# KiCad board HPM6E00FULLPORTRevB.kicad_pcb (continued)
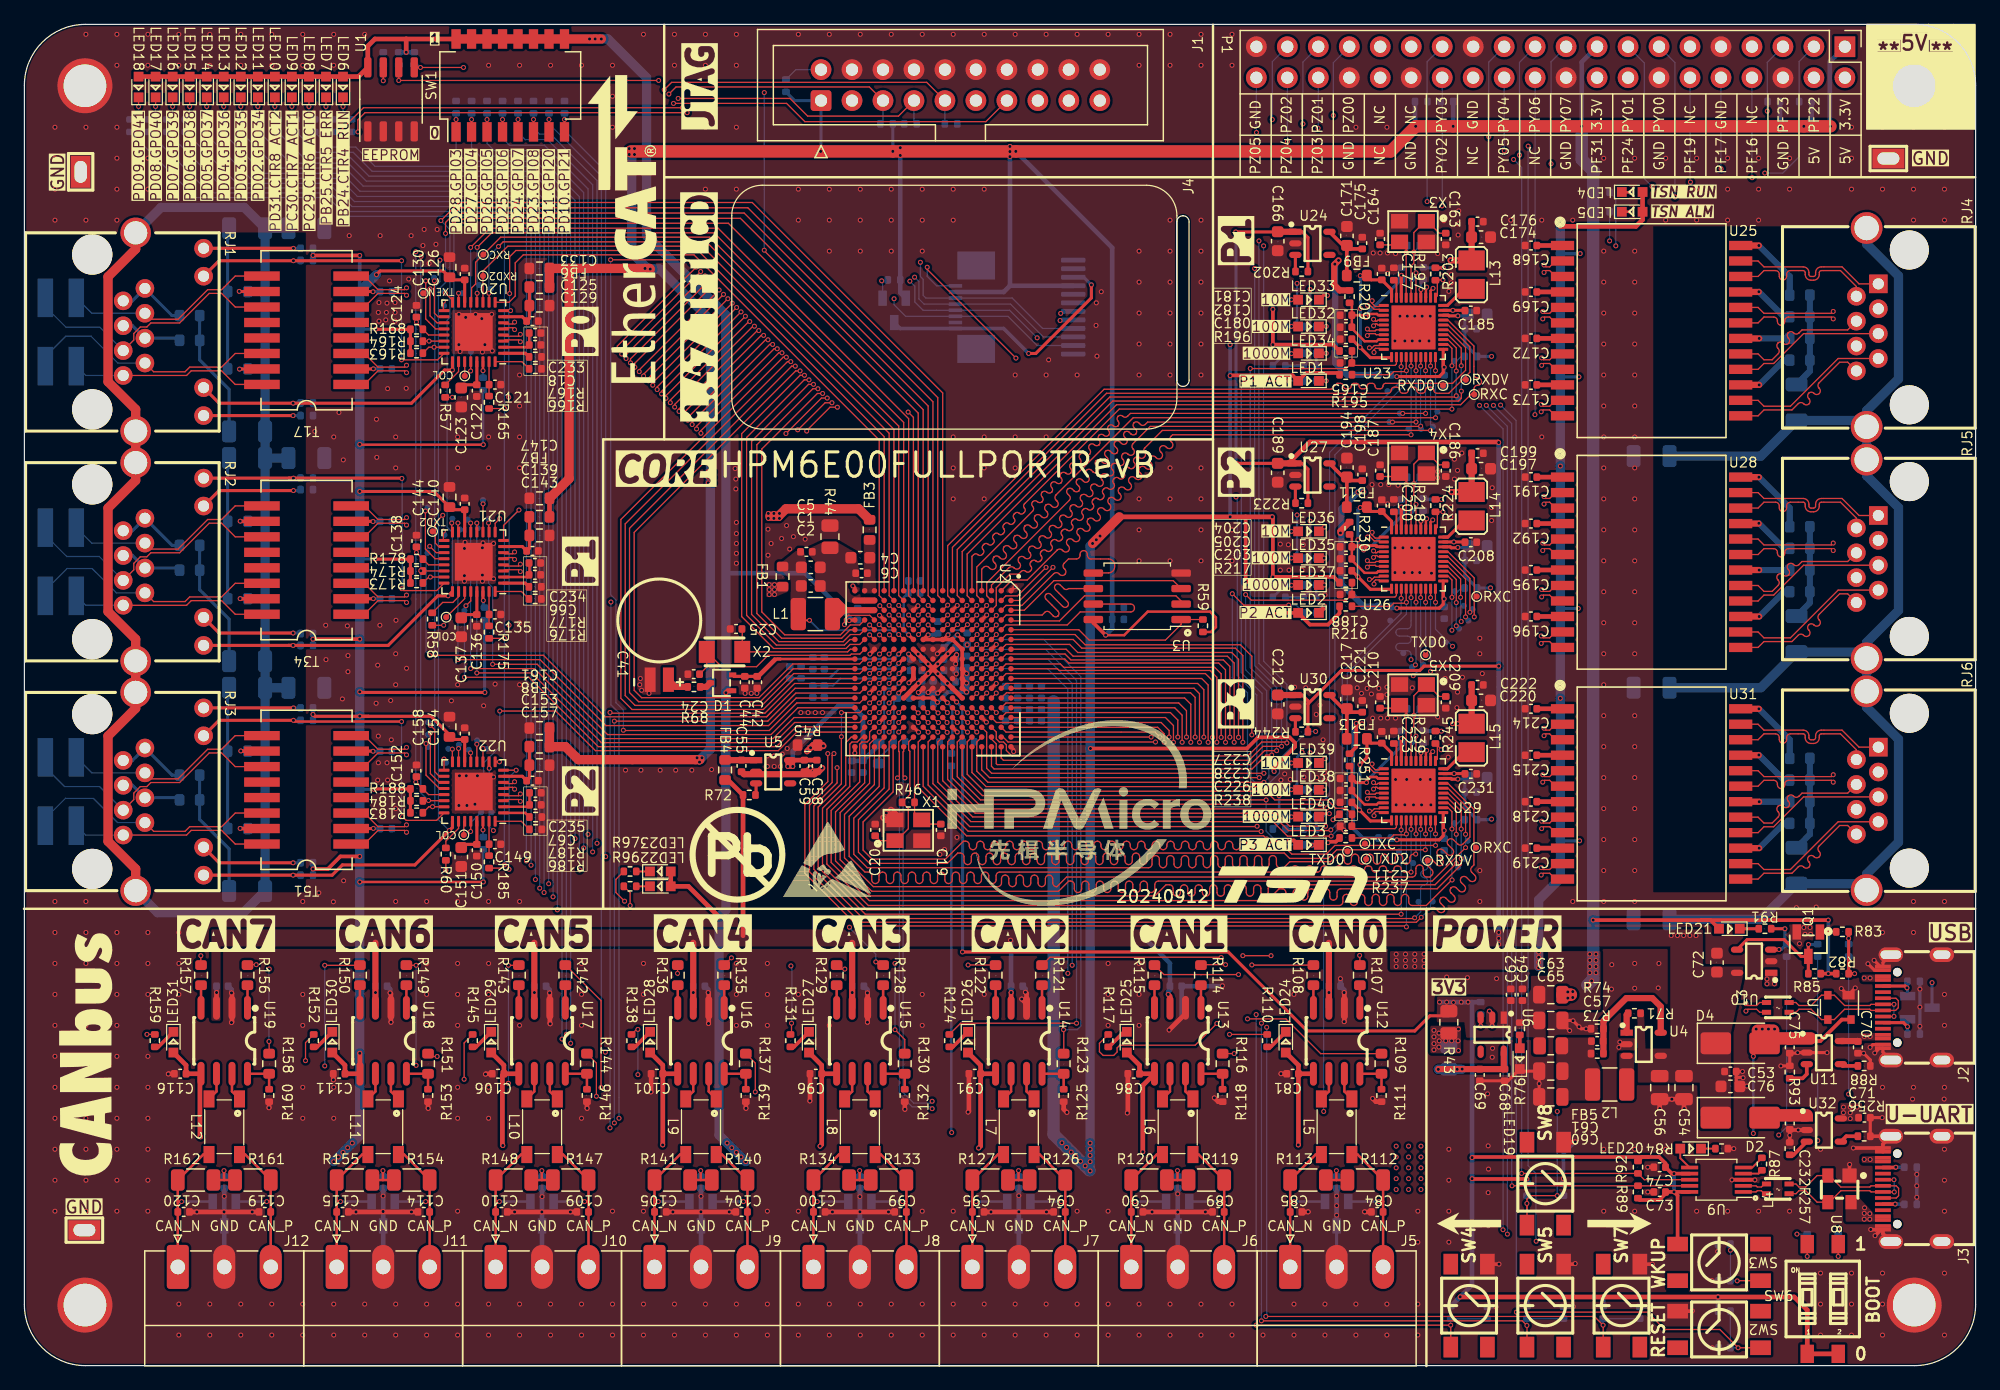
[diagram p0: board, top side]
## Routing (per net, layer and track width the routed paths; a pad name or vN(x,y) marks a point on that pad's centre or on a via; arc(x,y) is an arc through that point) (continued)
/HPM6E00 FULL PORT MAINENTRY/PB22: length 51.5
  Top w0.102: U26.15 v1(113.71,62.99) ; U2.C4 79.31,61.15 v1(79.7,61.53)
  POWER3 w0.102: v1(113.71,57.9) 113.71,57.9 97.27,57.9 97.16,58.02 arc(96.95,58.1) 96.73,58.02 96.48,57.76 arc(96.27,57.67) 96.05,57.76 arc(95.97,57.97) 96.05,58.19 96.31,58.44 arc(96.4,58.65) 96.31,58.86 arc(96.1,58.95) 95.88,58.86 95.63,58.61 arc(95.42,58.52) 95.21,58.61 arc(95.12,58.82) 95.21,59.03 95.46,59.29 arc(95.55,59.5) 95.46,59.71 arc(95.25,59.8) 95.04,59.71 94.78,59.46 arc(94.57,59.37) 94.36,59.46 arc(94.27,59.67) 94.36,59.88 94.61,60.14 arc(94.7,60.35) 94.61,60.56 arc(94.4,60.65) 94.19,60.56 93.93,60.31 arc(93.72,60.22) 93.51,60.31 arc(93.42,60.52) 93.51,60.73 93.76,60.99 arc(93.85,61.2) 93.76,61.41 93.64,61.53 v1(79.7,61.53)
  Bottom w0.102: v1(113.71,62.99) 113.71,60.73 arc(113.62,60.52) 113.41,60.43 112.76,60.43 arc(112.54,60.35) 112.46,60.13 arc(112.54,59.92) 112.76,59.83 113.41,59.83 arc(113.62,59.75) 113.71,59.53 arc(113.62,59.32) 113.41,59.23 112.76,59.23 arc(112.54,59.15) 112.46,58.93 arc(112.54,58.72) 112.76,58.63 113.41,58.63 arc(113.62,58.55) 113.71,58.33 v1(113.71,57.9)
/HPM6E00 FULL PORT MAINENTRY/PB23: length 51.5
  Top w0.102: U2.C5 v1(79.7,60.75) ; U26.19 v1(115.31,62.99)
  POWER3 w0.102: v1(115.31,56.94) 94.58,56.94 94.47,57.05 arc(94.24,57.15) 94.01,57.05 93.65,56.7 arc(93.42,56.6) 93.19,56.7 arc(93.1,56.93) 93.19,57.16 93.55,57.51 arc(93.64,57.74) 93.55,57.97 arc(93.32,58.07) 93.09,57.97 92.73,57.62 arc(92.5,57.52) 92.27,57.62 arc(92.18,57.85) 92.27,58.08 92.63,58.43 arc(92.72,58.66) 92.63,58.89 arc(92.4,58.98) 92.17,58.89 91.82,58.54 arc(91.59,58.44) 91.36,58.54 arc(91.26,58.77) 91.36,59 91.71,59.35 arc(91.8,59.58) 91.71,59.81 arc(91.48,59.9) 91.25,59.81 90.9,59.46 arc(90.67,59.36) 90.44,59.46 arc(90.34,59.69) 90.44,59.92 90.79,60.27 arc(90.88,60.5) 90.79,60.73 90.77,60.75 v1(79.7,60.75)
  Bottom w0.102: v1(115.31,56.94) v1(115.31,62.99)
/HPM6E00 FULL PORT MAINENTRY/PB24: length 86.1
  Top w0.102: v1(84.34,65.47) 84.34,65.47 81.62,62.75 U2.A2 ; v1(54.35,102.76) 27.93,102.76 27.35,102.17 v1(27.35,101.18)
  POWER3 w0.102: v1(54.35,102.76) 54.32,102.73 54.32,90.29 78.7,65.9 83.91,65.9 v1(84.34,65.47)
  Bottom w0.102: R26.1 26.83,101.18 v1(27.35,101.18)
/HPM6E00 FULL PORT MAINENTRY/PB25: length 87.4
  Top w0.102: v1(53.97,103.16) 27.8,103.16 v1(25.82,101.18) ; U2.B2 80.48,63.13 81.44,63.13 v1(83.78,65.47)
  POWER3 w0.102: v1(83.78,65.47) 78.53,65.47 53.97,90.03 v1(53.97,103.16)
  Bottom w0.102: 25.31,101.18 25.82,101.18 v1(25.82,101.18)
/HPM6E00 FULL PORT MAINENTRY/PC0: length 54.6
  Top w0.102: v1(109.49,33.64) 109.51,33.63 R107.1 ; U2.A6 85.99,59.55 86.71,58.84 99.3,58.84 99.91,58.23 v1(99.91,51.12) ; v1(99.91,33.62) v1(102.22,33.62)
  POWER3 w0.102: v1(102.22,33.62) 102.25,33.64 v1(109.49,33.64) ; v1(99.91,33.62) v1(99.91,51.12)
/HPM6E00 FULL PORT MAINENTRY/PC1: length 51.8
  Top w0.102: v1(100.65,51.73) 100.65,58.18 99.71,59.12 86.98,59.12 86.15,59.96 80.51,59.96 U2.B6 ; R108.1 100.66,32.85 v1(100.65,32.86)
  POWER3 w0.102: v1(100.65,51.73) 100.65,38.52 v1(100.65,32.86)
/HPM6E00 FULL PORT MAINENTRY/PC2: length 60.1
  Top w0.102: v1(79.7,59.96) 79.3,59.56 U2.C6 ; R109.1 106.3,25.59 103.44,28.44 v1(100.29,28.44)
  POWER3 w0.102: v1(100.29,28.44) 100.29,51.81 99.63,52.47 94.07,52.47 86.98,59.55 80.56,59.55 80.15,59.96 v1(79.7,59.96)
/HPM6E00 FULL PORT MAINENTRY/PC3: length 51.8
  Top w0.102: v1(99.2,25.59) 98.26,25.59 R116.1 ; U2.A7 85.42,58.75 85.99,58.18 98.64,58.18 99.2,57.62 v1(99.2,51.12)
  POWER3 w0.102: v1(99.2,25.59) v1(99.2,51.12)
/HPM6E00 FULL PORT MAINENTRY/PC4: length 53.2
  Top w0.102: v1(99.56,51.53) 99.56,51.53 99.56,57.93 99,58.49 86.38,58.49 85.71,59.15 80.49,59.15 U2.B7 ; v1(99.56,32.07) 93.45,32.07 R115.1
  POWER3 w0.102: v1(99.56,32.07) v1(99.56,51.53)
/HPM6E00 FULL PORT MAINENTRY/PC5: length 44.2
  Top w0.102: U2.A8 85.31,57.95 85.64,57.62 97.93,57.62 98.49,57.06 v1(98.49,51.12) ; v1(98.49,32.88) 96.51,32.88 R114.1
  POWER3 w0.102: v1(98.49,32.88) 98.49,32.88 v1(98.49,51.12)
/HPM6E00 FULL PORT MAINENTRY/PC6: length 52.6
  Top w0.102: R110.1 98.83,27.16 v1(98.82,27.17) ; v1(98.85,51.54) 98.85,57.34 98.31,57.88 85.82,57.88 85.33,58.36 80.51,58.36 U2.B8
  POWER3 w0.102: v1(98.82,27.17) 98.85,27.19 v1(98.85,51.54)
/HPM6E00 FULL PORT MAINENTRY/PC7: length 58.3
  Top w0.102: R117.1 88.15,26.43 88.15,25.75 88.46,25.44 89.32,25.44 89.6,25.72 89.6,26.06 89.82,26.28 96,26.28 v1(97.78,28.06) ; v1(97.78,51.12) 97.78,56.45 97.22,57.01 84.85,57.01 84.71,57.15 U2.A9
  POWER3 w0.102: v1(97.78,51.12) v1(97.78,28.06)
/HPM6E00 FULL PORT MAINENTRY/PC8: length 56.8
  Top w0.102: v1(98.14,33.47) 98.11,33.49 84.09,33.49 R121.1 ; U2.B9 80.49,57.55 84.95,57.55 85.23,57.27 97.6,57.27 98.14,56.73 v1(98.14,51.53)
  POWER3 w0.102: v1(98.14,51.53) v1(98.14,33.47)
/HPM6E00 FULL PORT MAINENTRY/PC9: length 40
  Top w0.102: R122.1 79.63,32.86 v1(77.38,32.86) ; U2.D6 v1(78.91,59.96)
  POWER3 w0.102: v1(78.91,59.96) 79.31,59.55 79.95,59.55 80.33,59.17 84.19,59.17 87.06,56.3 87.06,46.07 77.38,36.39 v1(77.38,32.86)
/HPM6E00 FULL PORT MAINENTRY/PC10: length 41.9
  Top w0.102: U2.D7 78.51,58.75 v1(78.91,59.15) ; v1(85.21,27.55) 85.23,27.53 85.23,25.59 R123.1
  Bottom w0.102: v1(85.21,27.55) 86.32,27.55 86.63,27.85 86.63,56.5 83.58,59.55 79.31,59.55 v1(78.91,59.15)
/HPM6E00 FULL PORT MAINENTRY/PC11: length 48.9
  Top w0.102: v1(86.27,28.08) 76.77,28.08 R124.1 ; U2.E7 v1(78.09,59.15)
  Bottom w0.102: v1(86.27,28.08) 86.27,56.2 83.73,58.74 78.5,58.74 v1(78.09,59.15)
/HPM6E00 FULL PORT MAINENTRY/PC12: length 52.1
  Top w0.102: U2.C8 79.3,57.96 v1(79.7,58.36) ; R131.1 62.91,27.25 v1(62.91,28.08)
  POWER3 w0.102: v1(79.7,58.36) 83.48,58.36 86.2,55.64 86.2,46.37 75.02,35.19 65.27,35.19 v1(62.85,32.78)
  Bottom w0.102: v1(62.85,32.78) 62.93,32.71 62.93,28.11 v1(62.91,28.08)
/HPM6E00 FULL PORT MAINENTRY/PC13: length 47.8
  Top w0.102: U2.D8 78.5,57.98 v1(78.88,58.36) ; R130.1 72.19,26.75 v1(71.39,27.55)
  POWER3 w0.102: v1(78.88,58.36) 79.29,58.77 83.84,58.77 86.63,55.97 86.63,46.22 75.25,34.84 73.24,34.84 v1(71.39,32.98)
  Bottom w0.102: v1(71.39,27.55) 71.39,27.55 v1(71.39,32.98)
/HPM6E00 FULL PORT MAINENTRY/PC14: length 52.1
  Top w0.102: v1(67.27,32.53) 66.93,32.53 R129.1 ; v1(78.09,58.33) 77.71,57.95 U2.E8
  POWER3 w0.102: v1(85.92,32.83) 77.86,32.83 77.53,32.5 67.3,32.5 v1(67.27,32.53)
  Bottom w0.102: v1(78.09,58.33) 78.48,57.95 83.91,57.95 85.92,55.95 v1(85.92,32.83)
/HPM6E00 FULL PORT MAINENTRY/PC15: length 42.3
  Top w0.102: v1(69.81,33.11) 70.08,32.85 R128.1 ; U2.C9 v1(79.7,57.55)
  POWER3 w0.102: v1(79.7,57.55) 82.84,57.55 85.36,55.03 85.36,46.68 74.59,35.91 67.71,35.91 v1(67.66,35.96)
  Bottom w0.102: v1(67.66,35.96) 67.66,35.91 69.81,33.75 v1(69.81,33.11)
/HPM6E00 FULL PORT MAINENTRY/PC16: length 51.6
  Top w0.102: v1(78.88,57.55) 78.5,57.16 U2.D9 ; R135.1 57.98,33.44 v1(57.98,33.44)
  POWER3 w0.102: v1(78.88,57.55) 79.29,57.95 83.15,57.95 85.79,55.31 85.79,46.55 74.79,35.55 60.09,35.55 v1(57.98,33.44)
/HPM6E00 FULL PORT MAINENTRY/PC17: length 64.9
  Top w0.102: v1(53.56,32.17) 53.56,32.83 R136.1 ; U2.E9 v1(78.09,57.55)
  POWER3 w0.102: v1(85.56,32.17) v1(53.56,32.17)
  Bottom w0.102: v1(78.09,57.55) 78.48,57.17 83.89,57.17 85.56,55.49 v1(85.56,32.17)
/HPM6E00 FULL PORT MAINENTRY/PC18: length 88.5
  Top w0.102: R137.1 59.93,24.81 v1(59.93,22.44) ; U2.A10 96.54,56.35 97.07,55.82 v1(97.07,51.12)
  POWER3 w0.102: v1(59.93,22.44) 93.84,22.44 97.07,25.67 v1(97.07,51.12)
/HPM6E00 FULL PORT MAINENTRY/PC19: length 104.2
  Top w0.102: v1(97.42,51.53) 97.42,56.17 96.84,56.76 80.51,56.76 U2.B10 ; v1(46.9,22.09) 46.9,24.81 R144.1
  POWER3 w0.102: v1(46.91,22.09) 94.1,22.09 97.42,25.42 v1(97.42,51.53)
/HPM6E00 FULL PORT MAINENTRY/PC20: length 113.1
  Top w0.102: U2.A11 95.91,55.55 96.36,55.11 v1(96.36,51.12) ; R143.1 40.53,32.83 v1(39.69,32.83)
  POWER3 w0.102: v1(96.36,51.12) 96.36,26.13 93.39,23.16 v1(39.69,23.16)
  Bottom w0.102: v1(39.69,23.16) v1(39.69,32.83)
/HPM6E00 FULL PORT MAINENTRY/PC21: length 108.5
  Top w0.102: U2.B11 80.49,55.95 96.21,55.95 96.71,55.44 v1(96.71,51.55) ; R142.1 44.37,32.85 47.28,29.94 v1(47.28,22.8)
  POWER3 w0.102: v1(47.28,22.8) 93.59,22.8 96.71,25.92 v1(96.71,51.55)
/HPM6E00 FULL PORT MAINENTRY/PC22: length 93.5
  Top w0.102: v1(50.31,27.57) 50.2,27.57 R138.1 ; U2.A12 95.14,54.75 95.65,54.24 v1(95.65,51.12)
  POWER3 w0.102: v1(95.65,51.12) 95.65,26.51 93.03,23.89 50.33,23.89 v1(50.31,23.87)
  Bottom w0.102: v1(50.31,23.87) v1(50.31,27.57)
/HPM6E00 FULL PORT MAINENTRY/PC23: length 109.8
  Top w0.102: R145.1 36.06,26.46 v1(36.06,23.48) ; v1(96,51.55) 96,54.8 95.62,55.18 81.07,55.18 81.06,55.18 80.74,55.18 80.74,55.18 80.53,55.18 U2.B12
  POWER3 w0.102: v1(96,51.55) 96,26.3 93.21,23.51 36.08,23.51 v1(36.06,23.48)
/HPM6E00 FULL PORT MAINENTRY/PC24: length 113.5
  Top w0.102: U2.A13 94.33,53.95 94.94,53.34 v1(94.94,51.12) ; v1(32.12,32.83) 31.34,32.83 R149.1
  POWER3 w0.102: v1(94.94,51.12) 94.94,26.89 92.67,24.63 v1(32.12,24.63)
  Bottom w0.102: v1(32.12,24.63) v1(32.12,32.83)
/HPM6E00 FULL PORT MAINENTRY/PC25: length 125.6
  Top w0.102: U2.B13 80.49,54.35 94.66,54.35 95.29,53.71 v1(95.29,51.55) ; R150.1 27.5,32.83 v1(24.63,32.83)
  POWER3 w0.102: v1(24.63,24.58) 24.95,24.26 92.83,24.26 95.29,26.71 v1(95.29,51.55)
  Bottom w0.102: v1(24.63,24.58) v1(24.63,32.83)
/HPM6E00 FULL PORT MAINENTRY/PC26: length 100.8
  Top w0.102: U2.A14 93.56,53.15 94.22,52.49 v1(94.22,51.12) ; v1(33.85,25.35) 33.33,25.35 R151.1
  POWER3 w0.102: v1(94.22,51.12) 94.22,27.27 92.31,25.35 v1(33.85,25.35)
/HPM6E00 FULL PORT MAINENTRY/PC27: length 115.6
  Top w0.102: v1(94.58,51.55) 94.58,52.95 93.97,53.56 80.51,53.56 U2.B14 ; v1(23.05,25.01) 23.05,26.49 R152.1
  POWER3 w0.102: v1(23.05,25.01) 23.06,25 92.49,25 94.58,27.09 v1(94.58,51.55)
/HPM6E00 FULL PORT MAINENTRY/PC28: length 122.1
  Top w0.102: U2.A15 92.93,52.35 93.46,51.82 v1(93.46,51.12) ; v1(10.05,27.17) 10.69,27.17 R159.1
  POWER3 w0.102: v1(10.05,27.17) 11.14,26.08 91.89,26.08 93,27.19 93,30.7 93.46,31.16 v1(93.46,51.12)
/HPM6E00 FULL PORT MAINENTRY/PC29: length 178.2
  Top w0.102: U2.B15 80.49,51.96 92.7,51.96 v1(93.11,51.55)
  POWER3 w0.102: v1(93.11,51.55) 93.11,31.33 92.62,30.85 92.62,27.4 91.66,26.43 v1(44.8,26.43)
  Bottom w0.102: R28.1 25.04,99.94 27.17,99.94 28.74,98.36 41.72,98.36 44.8,95.29 v1(44.8,26.43)
/HPM6E00 FULL PORT MAINENTRY/PC30: length 175.8
  Top w0.102: v1(92.39,51.55) U2.A16
  POWER3 w0.102: v1(92.4,51.55) 92.4,31.71 91.94,31.26 91.94,27.78 91.3,27.14 44.47,27.14 v1(44.44,27.17)
  Bottom w0.102: R29.1 23.96,99.51 26.96,99.51 28.51,97.96 41.52,97.96 44.44,95.04 v1(44.44,27.17)
/HPM6E00 FULL PORT MAINENTRY/PC31: length 179
  Top w0.102: U2.B16 80.25,51.55 80.66,51.15 v1(92.75,51.15)
  POWER3 w0.102: v1(44.08,26.79) 44.08,26.79 91.48,26.79 92.29,27.6 92.29,31.08 92.75,31.54 v1(92.75,51.15)
  Bottom w0.102: R30.1 22.9,99.05 26.76,99.05 28.26,97.55 41.29,97.55 44.08,94.76 v1(44.08,26.79)
/HPM6E00 FULL PORT MAINENTRY/PD0: length 54.3
  Top w0.102: U2.C10 79.31,56.35 v1(79.7,56.73) ; v1(49.67,37.73) 49.67,38.79 R96.1
  POWER3 w0.102: v1(79.7,56.73) 82.26,56.73 84.52,54.47 84.52,46.98 75.28,37.73 v1(49.67,37.73)
/HPM6E00 FULL PORT MAINENTRY/PD1: length 55.5
  Top w0.102: v1(49.22,38.09) 48.5,38.8 48.5,39.88 R97.1 ; U2.D10 v1(78.91,56.76)
  POWER3 w0.102: v1(78.91,56.76) 79.34,56.33 82.01,56.33 84.09,54.24 84.09,47.11 75.07,38.09 49.22,38.09 v1(49.22,38.09)
/HPM6E00 FULL PORT MAINENTRY/PD2: length 146
  Top w0.102: U2.E10 77.7,56.36 v1(78.09,56.76)
  POWER3 w0.102: v1(78.09,56.76) 78.5,57.17 82.51,57.17 84.95,54.73 84.95,46.85 75.48,37.38 v1(43.7,37.38)
  Bottom w0.102: v1(43.7,37.38) 43.7,94.55 41.11,97.14 28.03,97.14 26.56,98.62 21.82,98.62 R31.1
/HPM6E00 FULL PORT MAINENTRY/PD3: length 141.2
  Top w0.102: U2.D11 78.51,55.55 v1(78.91,55.95)
  POWER3 w0.102: v1(78.91,55.95) 79.29,55.57 82.13,55.57 83.66,54.04 83.66,47.21 74.89,38.45 v1(43.35,38.45)
  Bottom w0.102: v1(43.35,38.45) 43.35,94.3 40.91,96.74 27.78,96.74 26.3,98.21 20.71,98.21 R32.1
/HPM6E00 FULL PORT MAINENTRY/PD4: length 139.1
  Top w0.102: U2.E11 v1(78.09,55.95)
  POWER3 w0.102: v1(78.09,55.95) 78.5,55.54 78.5,55.06 78.96,54.6 81.35,54.6 82.36,53.58 82.36,47.51 74.36,39.51 43,39.51 v1(42.99,39.52)
  Bottom w0.102: R33.1 19.63,97.78 26.05,97.78 27.51,96.32 40.72,96.32 42.99,94.05 v1(42.99,39.52)
/HPM6E00 FULL PORT MAINENTRY/PD5: length 141.3
  Top w0.102: U2.C12 79.7,55.15 v1(79.7,55.16)
  POWER3 w0.102: v1(42.62,38.8) 42.62,38.8 74.69,38.8 83.23,47.34 83.23,53.89 81.96,55.16 v1(79.7,55.16)
  Bottom w0.102: R34.1 18.53,97.37 25.82,97.37 27.31,95.89 40.54,95.89 42.62,93.81 v1(42.62,38.8)
/HPM6E00 FULL PORT MAINENTRY/PD6: length 141.9
  Top w0.102: U2.D12 78.5,54.75 v1(78.91,55.16)
  POWER3 w0.102: v1(42.26,39.16) 42.26,39.16 74.52,39.16 82.79,47.44 82.79,53.74 81.73,54.8 79.26,54.8 v1(78.91,55.16)
  Bottom w0.102: v1(42.26,39.16) 42.26,93.59 40.38,95.47 27.07,95.47 25.57,96.97 17.42,96.97 R35.1
/HPM6E00 FULL PORT MAINENTRY/PD7: length 141.3
  Top w0.102: v1(78.09,55.13) 77.71,54.75 U2.E12
  POWER3 w0.102: v1(78.09,55.13) 78.09,54.73 78.45,54.37 81.02,54.37 81.96,53.43 81.96,47.67 74.16,39.87 41.91,39.87 v1(41.9,39.87)
  Bottom w0.102: R36.1 16.29,96.59 25.34,96.59 26.86,95.06 40.2,95.06 41.9,93.36 v1(41.9,39.87)
/HPM6E00 FULL PORT MAINENTRY/PD8: length 134.5
  Top w0.102: U2.C13 v1(79.7,53.56)
  POWER3 w0.102: v1(79.7,53.56) 79.72,53.56 80.13,53.15 80.13,48.12 73.04,41.04 v1(41.54,41.04)
  Bottom w0.102: v1(41.54,41.04) 41.54,93.13 40.02,94.66 26.63,94.66 25.11,96.18 15.18,96.18 R37.1
/HPM6E00 FULL PORT MAINENTRY/PD9: length 135.2
  Top w0.102: v1(78.91,53.56) 78.51,53.95 U2.D13
  POWER3 w0.102: v1(41.16,41.39) 72.84,41.39 79.72,48.28 79.72,52.97 79.14,53.56 v1(78.91,53.56)
  Bottom w0.102: R38.1 14.05,95.8 24.91,95.8 26.44,94.26 39.86,94.26 41.16,92.95 v1(41.16,41.39)
/HPM6E00 FULL PORT MAINENTRY/PD10: length 104.4
  Top w0.102: U2.E13 v1(78.09,53.56) ; SW1.8 v1(44.29,102.2)
  POWER3 w0.102: v1(78.09,53.56) 78.48,53.18 79.11,53.18 79.31,52.97 79.31,48.43 72.63,41.75 47.67,41.75 v1(47.67,41.75)
  Bottom w0.102: v1(47.67,41.75) 47.67,97.93 44.29,101.31 v1(44.29,102.2) R18.2
/HPM6E00 FULL PORT MAINENTRY/PD11: length 166.5
  Top w0.102: v1(93.87,51.55) 93.87,52.08 93.21,52.75 79.71,52.75 U2.C14 ; SW1.7 v1(43.02,102.2)
  POWER3 w0.102: v1(93.87,51.55) 93.87,31.03 93.39,30.55 93.39,27.02 92.08,25.71 v1(47.64,25.71)
  Bottom w0.102: v1(47.64,25.71) 47.31,26.04 47.31,97.55 43.02,101.84 v1(43.02,102.2) R19.2
/HPM6E00 FULL PORT MAINENTRY/PD12: length 64.5
  Top w0.102: v1(99.79,80.76) v1(103.7,80.76) ; v1(101.64,48.58) 79.31,48.58 78.91,48.99 78.91,51.95 U2.D15
  Bottom w0.102: v1(99.79,80.76) 99.79,56.84 101.49,55.13 101.49,48.73 v1(101.64,48.58) ; v1(103.7,80.76) R13.1
/HPM6E00 FULL PORT MAINENTRY/PD13: length 101.3
  Top w0.102: U2.C15 79.7,51.96 79.7,51.4 79.95,51.15 80.29,51.15 80.52,50.91 80.52,50.45 80.97,50 100.32,50 101.46,51.14 103.45,51.14 v1(103.52,51.07)
  POWER3 w0.102: v1(130.5,91.84) v1(101.62,91.84)
  Bottom w0.102: v1(101.62,91.84) 101.62,57.77 103.52,55.87 v1(103.52,51.07) ; v1(130.5,91.84) 130.5,95.72 R16.1
/HPM6E00 FULL PORT MAINENTRY/PD14: length 97.8
  Top w0.102: v1(103.09,50.79) 101.56,50.79 100.42,49.65 80.28,49.65 80.1,49.83 U2.B17
  POWER3 w0.102: v1(101.23,92.24) v1(129.99,92.24)
  Bottom w0.102: v1(103.09,50.79) 103.09,55.74 101.23,57.6 v1(101.23,92.24) ; R17.1 v1(129.99,92.24)
/HPM6E00 FULL PORT MAINENTRY/PD15: length 84.2
  Top w0.102: v1(102.68,50.43) 101.69,50.43 100.55,49.29 79.77,49.29 79.7,49.37 79.7,50.99 79.3,51.39 U2.C16 ; U23.31 115.86,87.74 115.86,88.86 R203.1 115.73,89.04 v1(116.32,89.04)
  POWER3 w0.102: v1(100.88,89.98) 115.38,89.98 v1(116.32,89.04)
  Bottom w0.102: v1(100.88,89.98) 100.88,57.42 102.68,55.62 v1(102.68,50.43)
/HPM6E00 FULL PORT MAINENTRY/PD16: length 71.4
  Top w0.102: C165.1 109.05,82.03 112.38,82.03 112.51,82.15 U23.12 ; C165.1 108.86,82.25 R196.2 ; C165.1 108.39,81.77 100.53,81.77 v1(100.52,81.78) ; U2.C17 79.3,49.15 79.52,48.94 100.68,48.94 101.82,50.08 v1(102.28,50.08)
  Bottom w0.102: v1(100.52,81.78) 100.52,57.24 102.28,55.49 v1(102.28,50.08)
/HPM6E00 FULL PORT MAINENTRY/PD17: length 57.7
  Top w0.102: U2.D16 78.09,51.15 78.09,48.76 79.01,47.84 v1(101.64,47.84) ; v1(100.14,63.24) 100.6,62.78 108.39,62.78 C188.1 ; R217.2 108.86,63.25 C188.1 ; U26.12 112.51,63.16 112.38,63.04 109.05,63.04 C188.1
  Bottom w0.102: v1(100.14,63.24) 100.14,57.06 101.87,55.34 101.87,49.04 102.05,48.86 102.05,48.25 v1(101.64,47.84)
/HPM6E00 FULL PORT MAINENTRY/PD18: length 68.4
  Top w0.102: U2.D17 78.5,48.86 79.14,48.22 v1(101.26,48.22) ; U26.31 115.86,68.75 115.86,69.86 R224.1 115.71,70.02 v1(116.32,70.02)
  POWER3 w0.102: v1(116.32,70.02) 115.23,71.11 99.48,71.11 v1(99.35,71.24)
  Bottom w0.102: v1(101.26,48.22) 101.06,48.43 101.06,54.99 99.46,56.59 99.46,71.14 v1(99.35,71.24)
/HPM6E00 FULL PORT MAINENTRY/PD19: length 49.3
  Top w0.102: U29.31 115.86,49.75 115.86,50.86 R245.1 116.17,50.56 v1(116.17,50.51) ; v1(101.64,47.11) 78.7,47.11 77.31,48.5 77.31,51.16 U2.E16
  POWER3 w0.102: 114.69,51.99 115.38,51.3 ; 115.38,51.3 v1(116.17,50.51) ; 115.38,51.3 114.67,52.01 v1(105.88,52.01)
  Bottom w0.102: v1(101.64,47.11) 101.64,47.34 102.91,48.61 102.91,49.72 105.2,52.01 v1(105.88,52.01)
/HPM6E00 FULL PORT MAINENTRY/PD20: length 49.4
  Top w0.102: U2.E17 77.7,48.64 78.86,47.49 v1(101.26,47.49) ; v1(103.67,62.37) 99.98,62.37 v1(99.05,63.31)
  Bottom w0.102: v1(103.67,62.37) 104.28,62.37 R14.1 ; v1(101.26,47.49) 100.29,48.45 100.29,55.18 99.05,56.43 99.05,63.31 v1(99.05,63.31)
/HPM6E00 FULL PORT MAINENTRY/PD21: length 35.6
  Top w0.102: U2.F16 76.49,51.15 76.49,48.3 78.4,46.4 v1(101.82,46.4)
  Bottom w0.102: R15.1 102.95,42.71 101.82,43.84 v1(101.82,46.4)
/HPM6E00 FULL PORT MAINENTRY/PD22: length 41
  Top w0.102: U2.F17 76.9,48.4 78.55,46.75 102.17,46.75 102.53,46.4 106.85,46.4 107.53,45.71 108.37,45.71 R238.2 108.86,44.25 C211.1 109.05,44.04 112.38,44.04 112.51,44.16 U29.12
/HPM6E00 FULL PORT MAINENTRY/PD23: length 100.9
  Top w0.102: SW1.6 v1(41.75,102.2) ; U2.E15 v1(78.09,51.96)
  POWER3 w0.102: v1(46.95,42.84) 72.15,42.84 78.09,48.78 v1(78.09,51.96)
  Bottom w0.102: R20.2 v1(41.75,102.2) 41.75,101.49 42.23,101.01 43.14,101.01 46.95,97.2 v1(46.95,42.84)
/HPM6E00 FULL PORT MAINENTRY/PD24: length 105.3
  Top w0.102: v1(78.09,52.75) 77.7,53.14 U2.E14 ; SW1.5 v1(40.48,102.2)
  POWER3 w0.102: v1(46.6,42.13) 72.46,42.13 78.78,48.45 78.78,52.26 78.3,52.75 v1(78.09,52.75)
  Bottom w0.102: v1(46.6,42.13) 46.6,96.84 42.89,100.55 41.06,100.55 40.48,101.13 v1(40.48,102.2) R21.2
/HPM6E00 FULL PORT MAINENTRY/PD25: length 101.6
  Top w0.102: U2.F15 77.3,51.95 v1(77.33,51.95) ; SW1.4 v1(39.21,102.2)
  POWER3 w0.102: v1(46.22,43.58) 71.82,43.58 77.33,49.09 v1(77.33,51.95)
  Bottom w0.102: R22.2 v1(39.21,102.2) 39.21,100.65 39.77,100.09 42.64,100.09 46.22,96.51 v1(46.22,43.58)
/HPM6E00 FULL PORT MAINENTRY/PD26: length 107.5
  Top w0.102: U2.F14 77.3,52.75 v1(77.35,52.75) ; SW1.3 v1(37.94,102.2)
  POWER3 w0.102: v1(77.35,52.75) 77.5,52.75 77.89,52.36 78.27,52.36 78.5,52.14 78.5,48.68 72.3,42.48 45.9,42.48 v1(45.86,42.45)
  Bottom w0.102: v1(45.86,42.45) 45.86,96.21 42.41,99.66 38.52,99.66 37.94,100.24 v1(37.94,102.2) R23.2
/HPM6E00 FULL PORT MAINENTRY/PD27: length 117.1
  Top w0.102: U2.F13 77.31,53.55 v1(77.35,53.55) ; SW1.2 v1(36.67,102.2)
  POWER3 w0.102: v1(77.35,53.55) 77.71,53.91 79.9,53.91 80.51,53.3 80.51,47.95 73.22,40.66 v1(45.53,40.66)
  Bottom w0.102: v1(45.53,40.66) 45.51,40.68 45.51,95.87 42.18,99.2 37.35,99.2 36.67,99.89 v1(36.67,102.2) 36.69,102.22 36.67,102.25 R24.2
/HPM6E00 FULL PORT MAINENTRY/PD28: length 108.1
  Top w0.102: SW1.1 v1(35.4,102.2) ; U2.G14 76.49,52.76 v1(76.49,52.75)
  POWER3 w0.102: v1(76.49,52.75) 76.72,52.75 77.1,52.36 77.56,52.36 77.69,52.24 77.69,48.91 72,43.22 v1(45.15,43.22)
  Bottom w0.102: v1(45.15,43.22) 45.15,43.22 45.15,95.57 41.95,98.77 36.21,98.77 35.4,99.58 v1(35.4,102.2) R25.2
/HPM6E00 FULL PORT MAINENTRY/PD29: length 87.1
  Top w0.102: R158.1 20.07,26.57 v1(20.06,26.58) ; v1(76.49,53.56) U2.G13
  POWER3 w0.102: v1(20.08,32.53) 22.95,32.53 30.7,40.27 74.03,40.27 81.55,47.79 81.55,53.33 80.74,54.14 79.87,54.14 ; 79.87,54.14 80.51,54.14 ; 79.87,54.14 77.08,54.14 v1(76.49,53.56)
  Bottom w0.102: v1(20.08,32.53) 20.06,32.5 v1(20.06,26.58)
/HPM6E00 FULL PORT MAINENTRY/PD30: length 71.9
  Top w0.102: R157.1 14.47,32.86 v1(14.47,33.62) ; v1(75.67,51.93) 75.67,51.99 U2.H15
  POWER3 w0.102: v1(14.47,33.62) 22.95,33.62 33.98,44.64 70.23,44.64 70.28,44.59 71.26,44.59 75.68,49.01 75.68,51.92 v1(75.67,51.93)
/HPM6E00 FULL PORT MAINENTRY/PD31: length 69
  Top w0.102: v1(19.01,32.88) 18.33,32.88 R156.1 ; U2.H14 75.66,52.8 v1(75.66,52.75)
  POWER3 w0.102: v1(75.66,52.75) 75.66,52.57 76.06,52.16 76.06,48.86 71.49,44.29 34.15,44.29 22.75,32.88 v1(19.01,32.88)
/HPM6E00 FULL PORT MAINENTRY/PE0: length 73.1
  Top w0.102: v1(112.89,81.93) 112.91,81.94 U23.13 ; v1(106.24,46.01) 106.21,46.04 78.25,46.04 76.1,48.19 U2.G17
  Bottom w0.102: v1(106.24,46.01) 107.03,46.8 107.03,74.89 112.89,80.76 v1(112.89,81.93)
/HPM6E00 FULL PORT MAINENTRY/PE1: length 80.1
  Top w0.102: R195.2 112.03,81.27 112.28,81.52 113.25,81.52 v1(113.32,81.6) 113.31,81.62 U23.14 ; U2.G16 75.71,51.16 75.71,48.07 78.12,45.66 106.72,45.66 v1(106.8,45.74)
  Bottom w0.102: v1(113.32,81.6) 113.32,80.56 107.46,74.69 107.46,46.4 v1(106.8,45.74)
/HPM6E00 FULL PORT MAINENTRY/PE2: length 91.6
  Top w0.102: v1(106.7,44.24) 103.75,44.24 102.68,45.3 77.97,45.3 75.3,47.97 U2.H17 ; v1(123.21,13.3) 123.21,13.29 123.21,12.82 ; SW8.4 123.21,12.82 ; 123.21,12.82 123.21,13.66 123.49,13.94 v1(125.69,13.94)
  POWER3 w0.102: v1(125.69,20.84) v1(106.54,20.84)
  Bottom w0.102: v1(106.54,20.84) 106.54,20.85 106.54,44.08 v1(106.7,44.24) ; v1(125.69,20.84) v1(125.69,13.94) C80.1 ; v1(123.21,13.3) 123.21,13.92
/HPM6E00 FULL PORT MAINENTRY/PE3: length 59.9
  Top w0.102: v1(107.13,43.93) 107.08,43.88 103.65,43.88 102.53,45 77.76,45 74.89,47.87 74.89,51.15 U2.H16 ; v1(112.89,62.93) 112.91,62.95 U26.13
  Bottom w0.102: v1(112.89,62.93) 112.89,61.71 108.07,56.89 108.07,44.87 v1(107.13,43.93)
/HPM6E00 FULL PORT MAINENTRY/PE4: length 64.9
  Top w0.102: v1(107.15,43.43) 103.57,43.43 102.38,44.62 77.61,44.62 74.5,47.73 U2.J17 ; U26.14 113.31,62.62 v1(113.32,62.6) 113.25,62.53 112.28,62.53 112.03,62.27 R216.2
  Bottom w0.102: v1(113.32,62.6) 113.32,61.64 108.47,56.78 108.47,44.74 v1(107.15,43.43)
/HPM6E00 FULL PORT MAINENTRY/PE5: length 94.7
  Top w0.102: v1(101.01,3.32) v1(116.96,3.32) 116.96,3.31 SW4.4 ; U2.J16 74.11,51.16 74.11,47.61 77.51,44.21 101.06,44.21 v1(101.08,44.24)
  POWER3 w0.102: v1(101.08,44.24) 101.01,44.16 v1(101.01,28.79)
  Bottom w0.102: v1(101.01,3.32) 101.01,28.79 v1(101.01,28.79) ; C77.1 119.96,3.85 R94.2 116.96,3.84 v1(116.96,3.32)
/HPM6E00 FULL PORT MAINENTRY/PE6: length 99.9
  Top w0.102: v1(101.44,3.67) 122.82,3.67 v1(123.21,3.29) 123.21,3.28 SW5.4 ; U2.K17 73.7,47.51 77.38,43.83 101.39,43.83 v1(101.41,43.8)
  POWER3 w0.102: v1(101.44,28.08) 101.44,43.78 v1(101.41,43.8)
  Bottom w0.102: v1(101.44,3.67) v1(101.44,28.08) ; C78.1 123.22,3.86 R95.2 123.21,3.84 v1(123.21,3.29)
/HPM6E00 FULL PORT MAINENTRY/PE7: length 107.1
  Top w0.102: v1(101.87,43.2) 101.62,43.45 77.26,43.45 73.29,47.41 73.29,51.15 U2.K16 ; v1(101.8,4.03) 128.74,4.03 v1(129.45,3.32) 129.46,3.31 SW7.4
  POWER3 w0.102: v1(101.87,43.2) v1(101.87,27.75)
  Bottom w0.102: C79.1 132.46,3.85 R100.2 129.45,3.84 v1(129.45,3.32) ; v1(101.87,27.75) 101.87,4.1 v1(101.8,4.03)
/HPM6E00 FULL PORT MAINENTRY/PE8: length 56.4
  Top w0.102: R60.2 v1(34.56,40.63) ; U22.8 39.29,48.83 v1(40.33,48.83) ; v1(74.9,51.95) U2.J15
  POWER3 w0.102: v1(34.56,40.63) 39.66,40.63 v1(39.74,40.71) ; v1(40.33,48.83) 40.33,48.83 43.85,45.3 44.36,45.3 44.39,45.33 69.66,45.33 71.35,47.02 72.67,47.02 74.89,49.24 74.89,51.95 v1(74.9,51.95)
  Bottom w0.102: v1(39.74,40.71) 39.74,48.25 v1(40.33,48.83)
/HPM6E00 FULL PORT MAINENTRY/PE9: length 44.7
  Top w0.102: v1(74.95,52.75) 74.91,52.75 U2.J14 ; v1(38.95,49.52) U22.9
  POWER3 w0.102: v1(38.95,49.52) 39.13,49.52 43.65,45 69.79,45 71.49,46.7 72.86,46.7 75.31,49.15 75.31,52.1 74.95,52.46 v1(74.95,52.75)
/HPM6E00 FULL PORT MAINENTRY/PE10: length 52.1
  Top w0.102: v1(38.12,48.99) 38.1,49 U22.10 ; U2.H13 75.68,53.57 v1(75.68,53.56)
  POWER3 w0.102: v1(38.46,43.88) 38.7,43.88 38.75,43.93 71.67,43.93 76.9,49.16 76.9,52.19 76.72,52.36 76.29,52.36 76.09,52.57 76.09,53.15 v1(75.68,53.56)
  Bottom w0.102: v1(38.12,48.99) 38.12,44.22 v1(38.46,43.88)
/HPM6E00 FULL PORT MAINENTRY/PE11: length 44
  Top w0.102: v1(37.61,50.61) 37.61,49.52 U22.11 ; v1(74.11,51.95) 73.71,52.35 U2.K15
  POWER3 w0.102: v1(74.11,51.95) 74.11,49.44 72.33,47.67 70.93,47.67 69.31,46.04 44.14,46.04 39.56,50.61 v1(37.61,50.61)
/HPM6E00 FULL PORT MAINENTRY/PE12: length 44.4
  Top w0.102: U22.12 37.1,49.52 v1(37.1,50.97) ; v1(74.11,52.75) U2.K14